# Altium PCB BEE_BOARD.PcbDoc (part 1 of 3) (continued)
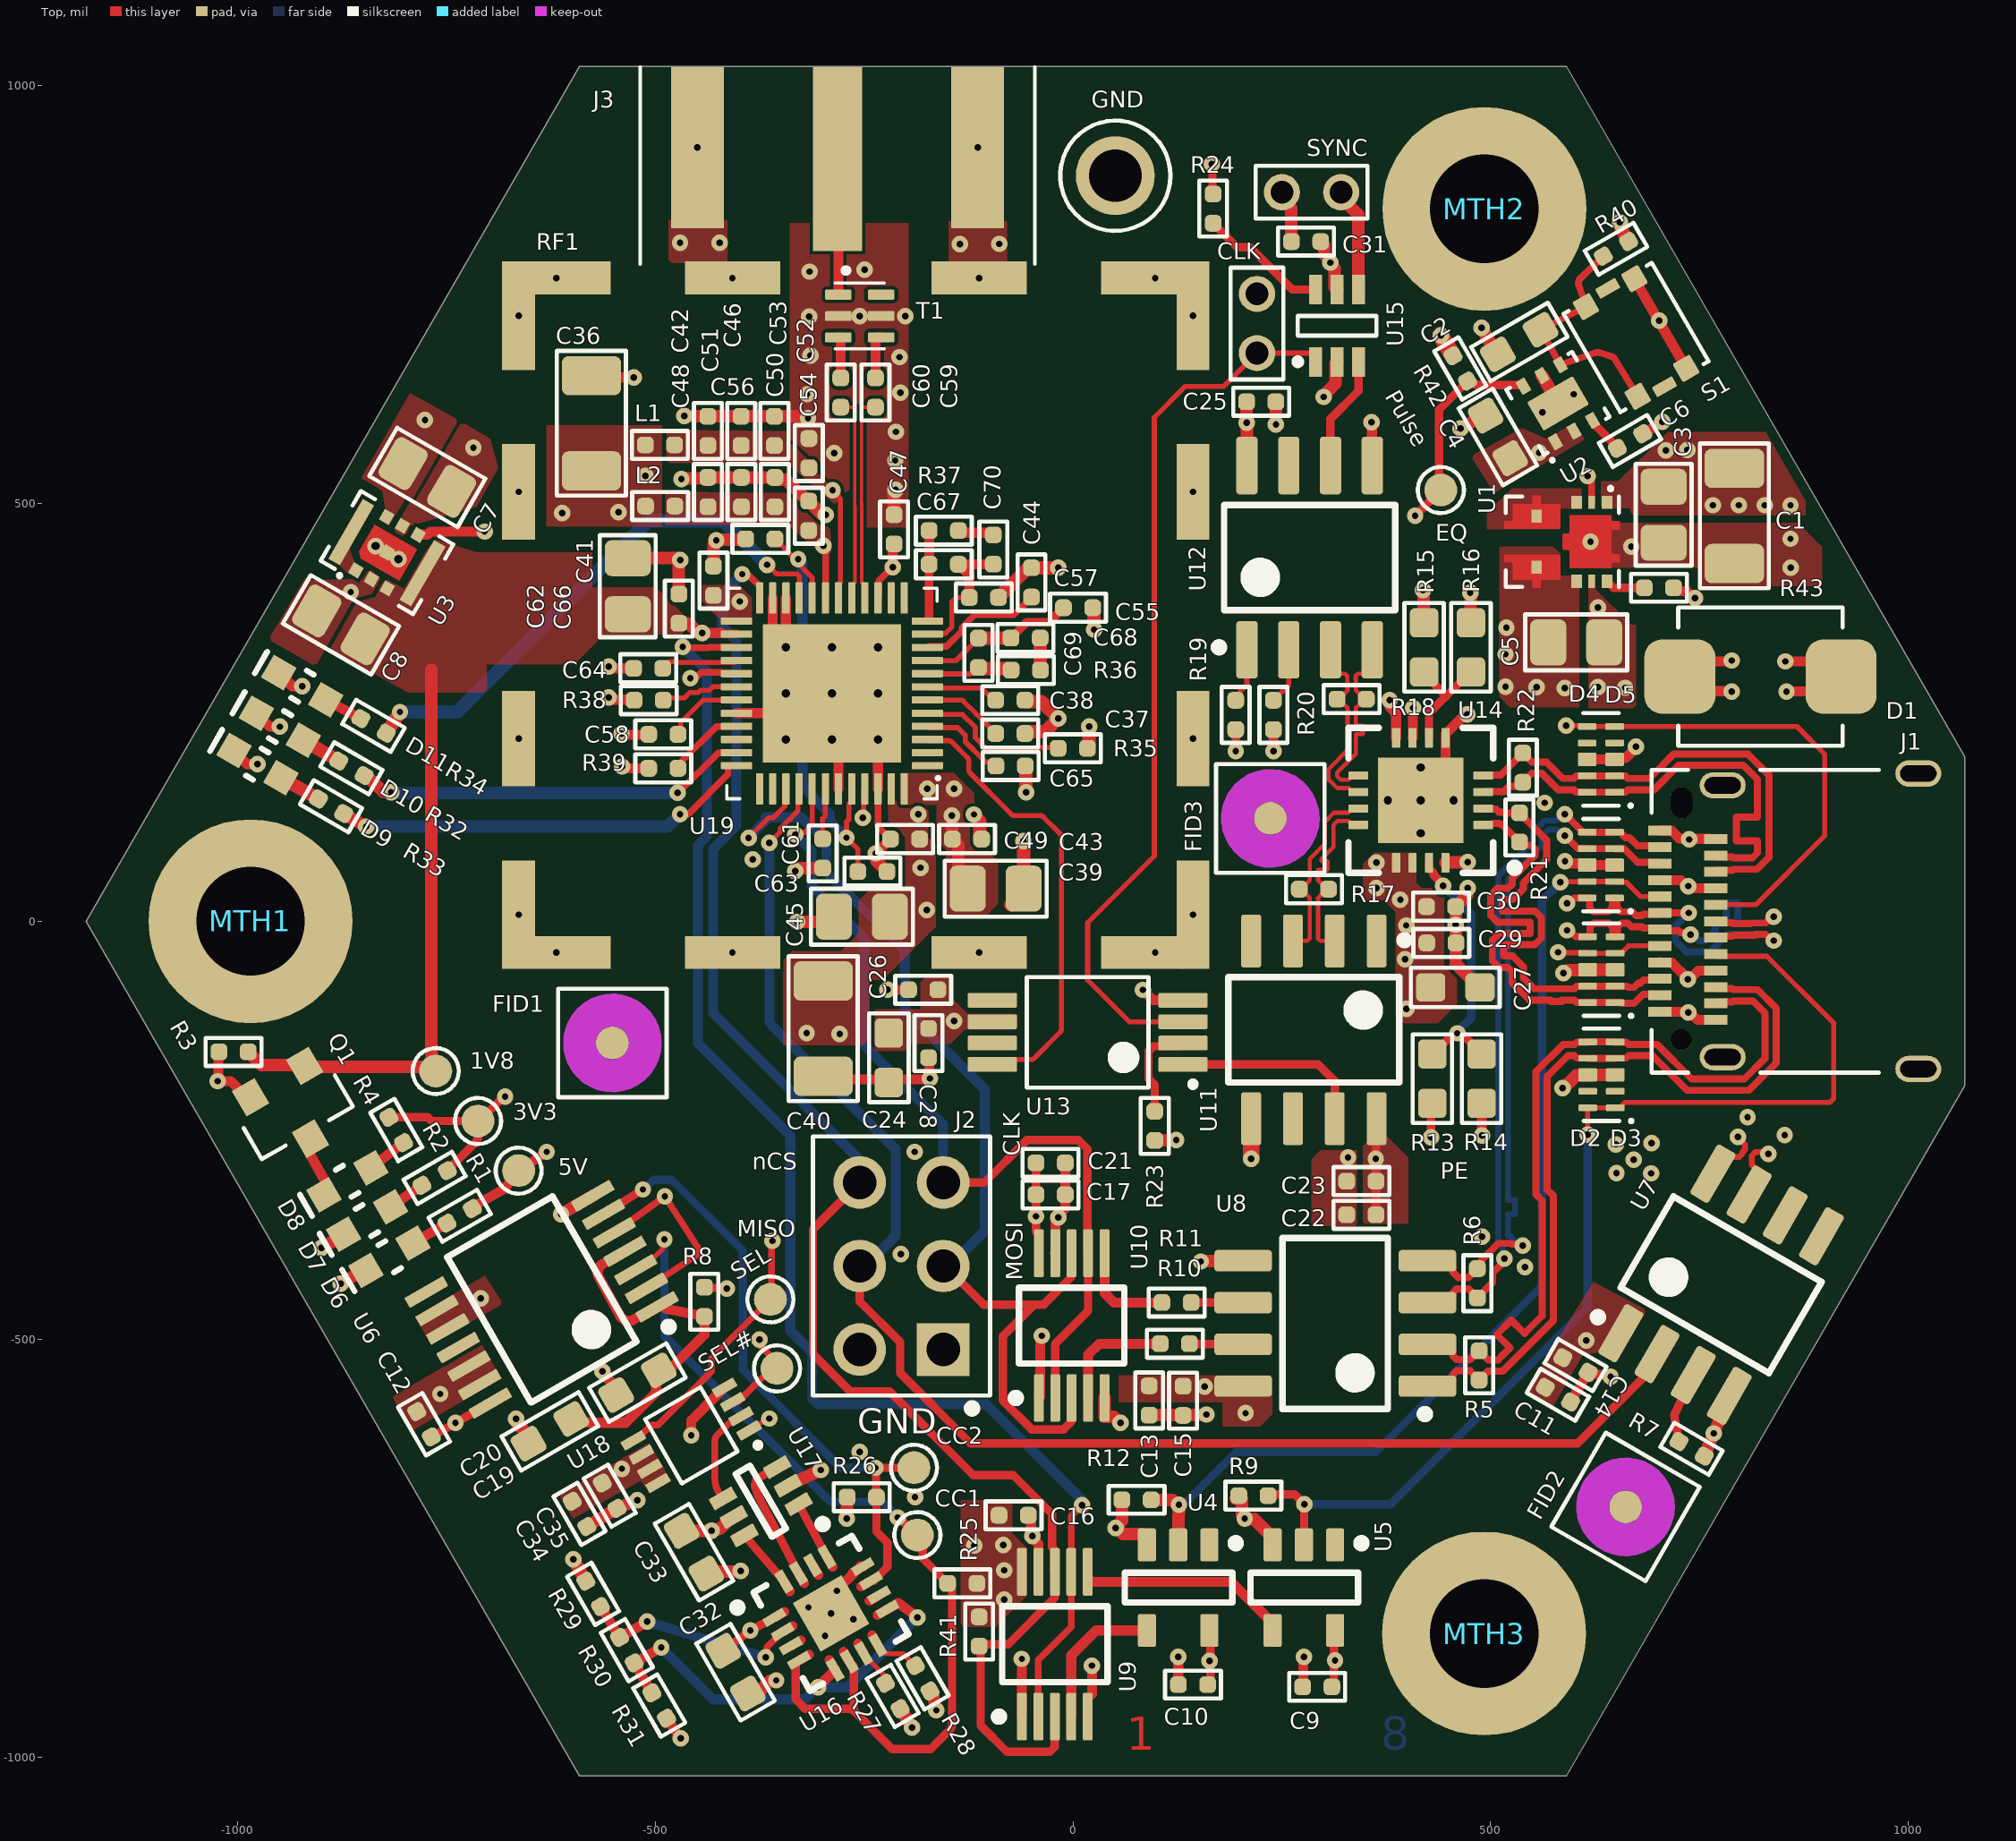
[diagram p0: Top view]
## Design rules (kind name [scope] priority, off if disabled: settings)
BoardOutlineClearance Clearance_Connecteur [InComponent('J3')] p1: gap=0 ignorepadtopadclearanceinfootprint=FALSE
BoardOutlineClearance BoardOutlineClearance-Silk [(OnLayer('Bottom Overlay')) OR (OnLayer('Top Overlay'))] p2: gap=0 ignorepadtopadclearanceinfootprint=FALSE
BoardOutlineClearance BoardOutlineClearance-Fiducials [InComponentClass('Fiducials')] p3: gap=0 ignorepadtopadclearanceinfootprint=FALSE
BoardOutlineClearance BoardOutlineClearance-MouseBites [InComponentClass('MouseBites')] p4: gap=10 ignorepadtopadclearanceinfootprint=FALSE except(0: Arc-SplitContinuation Track-SplitContinuation SMDPad-SplitContinuation THPad-OutlineEdge THPad-CavityEdge THPad-CutoutEdge THPad-SplitBarrior THPad-SplitContinuation Via-SplitContinuation Fill-SplitContinuation Poly-SplitContinuation Region-OutlineEdge Region-CavityEdge Region-CutoutEdge Region-SplitBarrior Region-SplitContinuation Text-SplitContinuation; 20: Arc-OutlineEdge Track-OutlineEdge SMDPad-OutlineEdge Via-OutlineEdge Fill-OutlineEdge Poly-OutlineEdge Text-OutlineEdge)
BoardOutlineClearance [All] p5: gap=12 ignorepadtopadclearanceinfootprint=FALSE
Clearance Clearance_HOLE_2_PAD [IsVia and (NOT InAnyComponent) vs IsSMTPin Or IsThruPin  or IsVia] p1: gap=0 ignorepadtopadclearanceinfootprint=FALSE except(2: SMDPad-Via THPad-Via; 6: Via-Via)
Clearance Clearance_VIA_SAME [IsVia and (NOT InAnyComponent) vs IsVia and (NOT InAnyComponent)] p2: gap=5.2 ignorepadtopadclearanceinfootprint=FALSE
Clearance Clearance_VIA [IsVia AND (InAnyComponent) vs IsVia AND (InAnyComponent)] p3: gap=12.2 ignorepadtopadclearanceinfootprint=FALSE
Clearance Clearance_GEN [All] p4: gap=4 ignorepadtopadclearanceinfootprint=FALSE
ComponentClearance [All] p1: gap=4 collisioncheckmode=3 verticalgap=4 showdistances=FALSE
DiffPairsRouting DIFF_100_OHM [InDifferentialPairClass('DIFF_100')] p1: maxlimit=8 minlimit=5 mostfreqgap=8 toplayer_maxgap=5 toplayer_prefgap=5 toplayer_minwidth=5 toplayer_maxwidth=5 toplayer_prefwidth=5 midlayer1_mingap=8 midlayer1_minwidth=4 midlayer1_maxwidth=4 midlayer1_prefwidth=4 midlayer2_mingap=8 midlayer2_minwidth=4 midlayer2_maxwidth=4 midlayer2_prefwidth=4 bottomlayer_maxgap=5 bottomlayer_prefgap=5 bottomlayer_minwidth=5 bottomlayer_maxwidth=5 bottomlayer_prefwidth=5 maxuncoupledlength=500
DiffPairsRouting DIFF_90_OHM [InDifferentialPairClass('DIFF_90')] p2: maxlimit=7 minlimit=5 mostfreqgap=7 toplayer_maxgap=5 toplayer_prefgap=5 toplayer_minwidth=7.5 toplayer_maxwidth=7.5 toplayer_prefwidth=7.5 midlayer1_mingap=7 midlayer1_minwidth=5 midlayer1_maxwidth=5 midlayer1_prefwidth=5 midlayer2_mingap=7 midlayer2_minwidth=5 midlayer2_maxwidth=5 midlayer2_prefwidth=5 bottomlayer_maxgap=5 bottomlayer_prefgap=5 bottomlayer_minwidth=7.5 bottomlayer_maxwidth=7.5 bottomlayer_prefwidth=7.5 maxuncoupledlength=500
DiffPairsRouting DIFF_85_OHM [InDifferentialPairClass('DIFF_85')] p3: maxlimit=5.5 minlimit=5 mostfreqgap=5.5 toplayer_maxgap=5 toplayer_prefgap=5 toplayer_minwidth=8.5 toplayer_maxwidth=8.5 toplayer_prefwidth=8.5 midlayer1_mingap=5.5 midlayer1_minwidth=5 midlayer1_maxwidth=5 midlayer1_prefwidth=5 midlayer2_mingap=5.5 midlayer2_minwidth=5 midlayer2_maxwidth=5 midlayer2_prefwidth=5 bottomlayer_maxgap=5 bottomlayer_prefgap=5 bottomlayer_minwidth=8.5 bottomlayer_maxwidth=8.5 bottomlayer_prefwidth=8.5 maxuncoupledlength=500
HoleSize [All] p1: absolutevalues=TRUE maxlimit=255.91 minlimit=7.87 maxpercent=80.000 minpercent=20.000
HoleToHoleClearance HoleToHoleClearance_Via [All] p1: gap=8 allowstackedmicrovias=TRUE
MatchedLengths [InNetClass('TX')] p1: tolerance=1 checknetsindiffpair=FALSE checkdiffpairvsdiffpair=TRUE checkxsignals=TRUE checkothers=TRUE
MatchedLengths DiffMatching_WithinPair [InDifferentialPairClass('All Differential Pairs')] p2: tolerance=1 checknetsindiffpair=TRUE checkdiffpairvsdiffpair=FALSE checkxsignals=FALSE checkothers=FALSE
MinimumAnnularRing [All] p1: minimumring=3.94
MinimumSolderMaskSliver [All] p1: minsoldermaskwidth=3.94
PasteMaskExpansion [All] p1: expansion=-0.98
PlaneClearance [All] p1: clearance=6
PlaneConnect [All] p1: pad.planeconnectstyle=Relief pad.reliefexpansion=20 pad.reliefentries=4 pad.reliefconductorwidth=10 pad.reliefairgap=10 via.planeconnectstyle=Direct via.reliefexpansion=20 via.reliefentries=4 via.reliefconductorwidth=10 via.reliefairgap=10
PolygonConnect [All] p1: thpad.connectstyle=Relief thpad.reliefconductorwidth=10 thpad.reliefentries=4 thpad.polygonreliefangle="90 Angle" thpad.airgapwidth=10 smdpad.connectstyle=Direct smdpad.reliefconductorwidth=10 smdpad.reliefentries=4 smdpad.polygonreliefangle="90 Angle" smdpad.airgapwidth=10 via.connectstyle=Direct via.reliefconductorwidth=10 via.reliefentries=4 via.polygonreliefangle="90 Angle" via.airgapwidth=10
RoutingVias [All] p1: holewidth=9.84 width=21.65 viastyle="Through Hole" minholewidth=7.87 minwidth=19.68 maxholewidth=255.91 maxwidth=295.28
SilkToSilkClearance [All] p1: silktosilkclearance=1
SilkToSolderMaskClearance [IsPad] p1: minsilkscreentomaskgap=1 clearancetoexposedcopper=FALSE
SolderMaskExpansion [All] p1: expansion=2.76 istentingtop=FALSE
UnRoutedNet [All] p1: checkbadconnections=TRUE
Width Width_50_OHM [InNetClass('SE_50OHM')] p1: maxlimit=12 minlimit=6 preferedwidth=12 toplayer_minwidth=12 midlayer1_maxwidth=6 midlayer1_prefwidth=6 midlayer2_maxwidth=6 midlayer2_prefwidth=6 bottomlayer_minwidth=12 minimp=50.000000 maximp=50.000000 favimp=50.000000
Width [All] p2: maxlimit=100 minlimit=4 preferedwidth=12 minimp=50.000000 maximp=50.000000 favimp=50.000000
19 further rules are at their usual default settings.

## Classes and differential pairs
net class TX: TX1_N TX1_P TX2_N TX2_P
net class SE_50OHM: NetC59_1 NetC60_1 NetJ3_1 NetR10_1 NetR11_1
differential pair class DIFF_85: D RX1 RX2 TX1 TX2
component class "Polarity Check": C32 C33 C34 C35 CC1 CC2 Pulse R25 R26 R27 R28 R29 R30 R31 SEL SEL# U16 U17 U18
differential pair class DIFF_100: CLK_BB_LVDS RF SYNC_BB_LVDS
component class TOP: D1 D2 D3 D4 D5 GND J1 J2
component class POWER: 1V8 3V3 5V C1 C2 C3 C4 C5 C6 C7 C8 D6 D7 D8 Q1 R1 R2 R3 R4 R40 R42 R43 S1 U1 U3
component class RECEIVE: C9 C10 C11 C12 C13 C14 C15 C16 C17 C19 C20 C21 C22 C23 C24 C25 C26 C27 C28 C29 C30 C31 CLK R5 R6 R7 R8 R9 R10 R11 R12 R13 R14 R15 R16 R17 R18 R19 R20 R21 R22 R23 R24 R41 SYNC U4 U5 U6 U7 U8 U9 U10 U11 U12 U13 U14 U15
component class DECAWAVE: C36 C37 C38 C39 C40 C41 C42 C43 C44 C45 C46 C47 C48 C49 C50 C51 C52 C53 C54 C55 C56 C57 C58 C59 C60 C61 C62 C63 C64 C65 C66 C67 C68 C69 C70 D9 D10 D11 J3 L1 L2 R32 R33 R34 R35 R36 R37 R38 R39 RF1 T1 U19
component class BEE_BOARD_TITLE: FID1 FID2 FID3 MTH1 MTH2 MTH3
differential pair TX2: +TX2_P -TX2_N
differential pair TX1: +TX1_P -TX1_N
differential pair RX2: +RX2_P -RX2_N
differential pair RX1: +RX1_P -RX1_N
differential pair D: +D_P -D_N
differential pair SYNC_BB_LVDS: +SYNC_BB_LVDS_P -SYNC_BB_LVDS_N
differential pair RF: +RF_P -RF_N
differential pair CLK_BB_LVDS: +CLK_BB_LVDS_P -CLK_BB_LVDS_N

## Components (designator, comment, footprint, x,y, rotation, side; value= is the part's Value field where it differs from the comment)
1V8 "1 MM" TPO_SMD_ROUND_1MM -762.62,-179.27 r300 top
3V3 "1 MM" TPO_SMD_ROUND_1MM -711.99,-239.06 r300 top
5V "1 MM" TPO_SMD_ROUND_1MM -663.39,-298.43 r120 top
C1 "CL31A226KAHNNNE" CAP_CER_1206 791.59,484.98 r90 top value=22uF
C2 "C0603C105K8PACTU" CAP_CER_0603 534.12,693.02 r210 top value=1uF
C3 "C2012X7R1E475K125AE" CAP_CER_0805 706.99,486.45 r90 top value=4.7uF
C4 "C0603C105K8PACTU" CAP_CER_0603 508.57,579.48 r120 top value=1uF
C5 "GRM21BR61C106KE15K" CAP_CER_0805 602.36,333.66 r180 top value=10uF
C6 "CGA2B3X7R1E104K050BB" CAP_CER_0402 666.72,574.55 r210 top value=100nF
C7 "C2012X7R1E475K125AE" CAP_CER_0805 -772.66,531.02 r150 top value=4.7uF
C8 "GRM21BR61C106KE15K" CAP_CER_0805 -876.05,354.64 r330 top value=10uF
C9 "CGA2B3X7R1E104K050BB" CAP_CER_0402 292.39,-916.06 r0 top value=100nF
C10 "CGA2B3X7R1E104K050BB" CAP_CER_0402 143.7,-913.46 r0 top value=100nF
C11 "CL05B103KA5NNNC" CAP_CER_0402 580.42,-566.58 r150 top value=10nF
C12 "CGA2B3X7R1E104K050BB" CAP_CER_0402 -776.58,-601.89 r120 top value=100nF
C13 "CL05B103KA5NNNC" CAP_CER_0402 91.2,-573.44 r90 top value=10nF
C14 "JMK105B7474KVHF" CAP_CER_0402 601.47,-531 r150 top value=470nF
C15 "JMK105B7474KVHF" CAP_CER_0402 131.81,-573.76 r90 top value=470nF
C16 "CGA2B3X7R1E104K050BB" CAP_CER_0402 -70.97,-710.81 r180 top value=100nF
C17 "CL05B103KA5NNNC" CAP_CER_0402 -26.71,-327.14 r180 top value=10nF
C19 "C0603C105K8PACTU" CAP_CER_0603 -625.98,-610.35 r210 top value=1uF
C20 "C0603C105K8PACTU" CAP_CER_0603 -521.21,-552.17 r210 top value=1uF
C21 "JMK105B7474KVHF" CAP_CER_0402 -26.71,-289.2 r180 top value=470nF
C22 "CGA2B3X7R1E104K050BB" CAP_CER_0402 345.17,-351.28 r0 top value=100nF
C23 "CC0402KRX7R9BB102" CAP_CER_0402 345.17,-310.99 r0 top value=1nF
C24 "C0603C105K8PACTU" CAP_CER_0603 -220.29,-163.41 r270 top value=1uF
C25 "CGA2B3X7R1E104K050BB" CAP_CER_0402 225.36,621.61 r180 top value=100nF
C26 "CGA2B3X7R1E104K050BB" CAP_CER_0402 -179.17,-82.01 r0 top value=100nF
C27 "C0603C105K8PACTU" CAP_CER_0603 457.69,-79.16 r0 top value=1uF
C28 "CC0402KRX7R9BB102" CAP_CER_0402 -172.92,-145.81 r90 top value=1nF
C29 "CGA2B3X7R1E104K050BB" CAP_CER_0402 440.94,-25.97 r180 top value=100nF
C30 "CC0402KRX7R9BB102" CAP_CER_0402 440.63,17.5 r180 top value=1nF
C31 "CGA2B3X7R1E104K050BB" CAP_CER_0402 278.98,813.21 r180 top value=100nF
C32 "C0603C105K8PACTU" CAP_CER_0603 -403.86,-898.58 r300 top value=1uF
C33 "C0603C105K8PACTU" CAP_CER_0603 -453.58,-755.02 r300 top value=1uF
C34 "CGA2B3X7R1E104K050BB" CAP_CER_0402 -590.55,-709.19 r120 top value=100nF
C35 "CGA2B3X7R1E104K050BB" CAP_CER_0402 -554.49,-687.41 r120 top value=100nF
C36 "CL31A226KAHNNNE" CAP_CER_1206 -576.3,595.83 r270 top value=22uF
C37 "CGA2B3X7R1E104K050BB" CAP_CER_0402 -74.95,224.62 r180 top value=100nF
C38 "CGA2B3X7R1E104K050BB" CAP_CER_0402 -74.95,264.62 r180 top value=100nF
C39 "C2012X7R1E475K125AE" CAP_CER_0805 -92.45,39.01 r180 top value=4.7uF
C40 "CL31A226KAHNNNE" CAP_CER_1206 -298.87,-128.54 r90 top value=22uF
C41 "CGA2B3X7R1E104K050BB" CAP_CER_0402 -430.25,407.49 r270 top value=100nF
C42 "CGA2B3X7R1E104K050BB" CAP_CER_0402 -436.9,586.69 r270 top value=100nF
C43 "CGA2B3X7R1E104K050BB" CAP_CER_0402 -126.75,98.31 r180 top value=100nF
C44 "CGA2B3X7R1E104K050BB" CAP_CER_0402 -49.6,405.43 r270 top value=100nF
C45 "C2012X7R1E475K125AE" CAP_CER_0805 -252.49,5.51 r0 top value=4.7uF
C46 "CL05B103KA5NNNC" CAP_CER_0402 -397.06,586.69 r270 top value=10nF
C47 "CGA2B3X7R1E104K050BB" CAP_CER_0402 -214.07,468.95 r270 top value=100nF
C48 "CGA2B3X7R1E104K050BB" CAP_CER_0402 -436.9,513.52 r270 top value=100nF
C49 "CGA2B3X7R1E104K050BB" CAP_CER_0402 -200.92,98.31 r0 top value=100nF
C50 "CC0402KRX7R9BB102" CAP_CER_0402 -357.23,586.69 r270 top value=1nF
C51 "CL05B103KA5NNNC" CAP_CER_0402 -396.77,513.52 r270 top value=10nF
C52 "CC0402JRNPO9BN120" CAP_CER_0402 -316.03,560.11 r270 top value=12pF
C53 "CC0402KRX7R9BB102" CAP_CER_0402 -356.65,513.52 r270 top value=1nF
C54 "CC0402JRNPO9BN120" CAP_CER_0402 -316.19,485.19 r270 top value=12pF
C55 "CGA2B3X7R1E104K050BB" CAP_CER_0402 6.17,375.13 r180 top value=100nF
C56 "CGA2B3X7R1E104K050BB" CAP_CER_0402 -374.15,457.47 r0 top value=100nF
C57 "CGA2B3X7R1E104K050BB" CAP_CER_0402 -106.56,387.39 r180 top value=100nF
C58 "CGA2B3X7R1E104K050BB" CAP_CER_0402 -490.24,223.64 r0 top value=100nF
C59 "CC0402JRNPO9BN120" CAP_CER_0402 -236.26,632.61 r270 top value=12pF
C60 "CC0402JRNPO9BN120" CAP_CER_0402 -277.91,632.61 r270 top value=12pF
C61 "CGA2B3X7R1E104K050BB" CAP_CER_0402 -299.45,81.13 r90 top value=100nF
C62 "C2012X7R1E475K125AE" CAP_CER_0805 -532.74,400.87 r270 top value=4.7uF
C63 "CGA2B3X7R1E104K050BB" CAP_CER_0402 -240.01,59.38 r180 top value=100nF
C64 "CGA2B3X7R1E104K050BB" CAP_CER_0402 -508.29,302.66 r180 top value=100nF
C65 "CC0402JRNPO9BN101" CAP_CER_0402 -74.59,185.72 r180 top value=100pF
C66 "CGA2B3X7R1E104K050BB" CAP_CER_0402 -471.64,374.03 r270 top value=100nF
C67 "GRM1555C1H180GA01D" CAP_CER_0402 -154.58,427.11 r180 top value=18pF
C68 "CC0402JRNPO9BN270" CAP_CER_0402 -56.74,338.89 r0 top value=27pF
C69 "C0402C129C5GACTU" CAP_CER_0402 -113.02,321.24 r90 top value=1.2pF
C70 "CC0402KRX7R9BB821" CAP_CER_0402 -95.31,444.82 r90 top value=820pF
CC1 "1 MM" TPO_SMD_ROUND_1MM -186.17,-734.47 r0 top
CC2 "1 MM" TPO_SMD_ROUND_1MM -190.2,-653.95 r90 top
CLK "TH ROUND 0.7mm DOUBLE" TPO_TH_ROUND_0.7mm_DOUBLE 220.28,715.21 r270 top
D1 "SMBJ5.0A" TVS_PWR_SMBJ5.0CA 822.83,292.74 r0 top value="Vbr = 6.4V -  Clamp = 9.2V"
D2 "DT1140-04LP-7" TVS_DATA_DT1140-04LP-7 632.56,-183.8 r180 top value="5.5V @ 1mA (Reverse Standoff)"
D3 "DT1140-04LP-7" TVS_DATA_DT1140-04LP-7 632.46,-57.98 r180 top value="5.5V @ 1mA (Reverse Standoff)"
D4 "DT1140-04LP-7" TVS_DATA_DT1140-04LP-7 631.86,67.16 r180 top value="5.5V @ 1mA (Reverse Standoff)"
D5 "DT1140-04LP-7" TVS_DATA_DT1140-04LP-7 631.86,193.62 r180 top value="5.5V @ 1mA (Reverse Standoff)"
D6 "SML-D12P8WT86" LED_SML-D12P8WT86 -817.83,-401.4 r30 top value="560 nm (green)"
D7 "SML-D12P8WT86" LED_SML-D12P8WT86 -844.93,-358.15 r30 top value="560 nm (green)"
D8 "SML-D12P8WT86" LED_SML-D12P8WT86 -868.49,-311.23 r30 top value="560 nm (green)"
D9 "SML-D12P8WT86" LED_SML-D12P8WT86 -975.98,188.01 r330 top value="560 nm (green)"
D10 "SML-D12P8WT86" LED_SML-D12P8WT86 -949.14,232.79 r330 top value="560 nm (green)"
D11 "SML-D12P8WT86" LED_SML-D12P8WT86 -922.25,281.2 r330 top value="560 nm (green)"
FID1 "FID 1MM" FID_CIRCLE_1MM -551.18,-145.67 r0 top
FID2 "FID 1MM" FID_CIRCLE_1MM 661.42,-700.79 r60 top
FID3 "FID 1MM" FID_CIRCLE_1MM 236.22,123.04 r0 top
GND "5011" TPO_5011 50.74,892.05 r0 top
J1 "12401598E4#2A" CON_USB_3.2_TypeC_12401598E4#2A 728.35,0 r90 top value="USB 3.2 Type C"
J2 "10129381-906002BLF" CON_HDR_10129381-906002BLF -205.2,-412.52 r180 top value="6 Pos."
J3 "CONSMA020.062-G" CON_SMA_CONSMA020.062-G -281.72,912.11 r180 top value="50 ohm"
L1 "BLM15AG601SN1D" FER_0402 -494.3,569.96 r0 top value=600R@100Mhz
L2 "BLM15AG601SN1D" FER_0402 -493.98,496.79 r0 top value=600R@100Mhz
MTH1 "M3" MTH_M3#1 -984.25,0 r0 top locked
MTH2 "M3" MTH_M3#2 492.13,852.36 r0 top locked
MTH3 "M3" MTH_M3#1 492.13,-852.36 r0 top locked
Pulse "1 MM" TPO_SMD_ROUND_1MM 440.31,515.99 r90 top
Q1 "BSS138LT1G" TRX_NMOS_BSS138LT1G -932.1,-225.98 r300 top
R1 "ERJ-2RKF4020X" RES_0402 -733.96,-352.56 r30 top value=402R
R2 "ERJ-2RKF4750X" RES_0402 -763.94,-307.18 r30 top value=475R
R3 "RC0402FR-0710KL" RES_0402 -1004.57,-156.35 r180 top value=10k
R4 "ERJ-2RKF4750X" RES_0402 -809.83,-249.77 r300 top value=475R
R5 "RC0402FR-0784R5L" RES_0402 486.22,-531.5 r270 top value=84R5
R6 "RC0402FR-0784R5L" RES_0402 484.04,-433.19 r270 top value=84R5
R7 "RC0402FR-071KL" RES_0402 740.39,-631.34 r150 top value=1k
R8 "RC0402FR-07100KL" RES_0402 -441.08,-455.49 r90 top value=100k
R9 "RC0402FR-0710KL" RES_0402 216.02,-687.3 r180 top value=10k
R10 "RC0402FR-0733RL" RES_0402 121.96,-505.53 r0 top value=33R
R11 "RC0402FR-0733RL" RES_0402 123.99,-456.26 r0 top value=33R
R12 "RC0402FR-0710KL" RES_0402 76.16,-692.3 r180 top value=10k
R13 "RC0603JR-070RL" RES_0603 430.12,-188.39 r270 top value=0R
R14 "RC0603JR-070RL" RES_0603 489.18,-188.4 r90 top value=0R
R15 "RC0603JR-070RL" RES_0603 420.28,327.76 r90 top value=0R
R16 "RC0603JR-070RL" RES_0603 476.38,327.76 r270 top value=0R
R17 "RC0402FR-07100RP" RES_0402 288.39,38.39 r0 top value=100R
R18 "RC0402FR-07100RP" RES_0402 333.66,265.75 r180 top value=100R
R19 "RC0402FR-071KL" RES_0402 194.79,246.9 r270 top value=1k
R20 "RC0402FR-071KL" RES_0402 239.96,246.89 r270 top value=1k
R21 "RMCF0402FT562R" RES_0402 534.45,112.2 r270 top value=562R
R22 "RMCF0402FT562R" RES_0402 538.41,183.73 r270 top value=562R
R23 "RC0402FR-0710KL" RES_0402 97.95,-244.86 r270 top value=10k
R24 "RC0402FR-0710KL" RES_0402 167.77,852.68 r90 top value=10k
R25 "RC0402FR-07100KL" RES_0402 -132.45,-792.28 r0 top value=100k
R26 "RC0402FR-07100KL" RES_0402 -252.66,-689.21 r0 top value=100k
R27 "RC0402FR-07100KL" RES_0402 -215.61,-927.01 r300 top value=100k
R28 "RC0402FR-07100KL" RES_0402 -179.87,-905.89 r300 top value=100k
R29 "RC0402FR-07100KL" RES_0402 -574.2,-804.89 r120 top value=100k
R30 "RMCF0402FT200K" RES_0402 -533.82,-872.21 r120 top value=200K
R31 "RC0402FR-07100KL" RES_0402 -495.18,-938.48 r120 top value=100k
R32 "ERJ-2RKF4750X" RES_0402 -863.49,183.01 r330 top value=475R
R33 "ERJ-2RKF4750X" RES_0402 -887.89,137.58 r330 top value=475R
R34 "ERJ-2RKF4750X" RES_0402 -837.05,233.75 r330 top value=475R
R35 "RC0402FR-0711KL" RES_0402 -0.14,206.91 r180 top value=11k
R36 "RC0402FR-0716KL" RES_0402 -56.43,300.57 r0 top value=16k
R37 "RC0402FR-07270RL" FER_0402 -154.58,467.47 r180 top value=270
R38 "RC0402FR-0710KL" RES_0402 -507.74,264.46 r0 top value=10k
R39 "RC0402FR-0710KL" RES_0402 -490.24,182.96 r0 top value=10k
R40 "RC0402FR-07100KL" RES_0402 649.92,804.56 r30 top value=100k
R41 "RC0402FR-0710KL" RES_0402 -112.2,-849.86 r90 top value=10k
R42 "RC0402FR-07100KL" RES_0402 463.59,661.46 r120 top value=100k
R43 "RC0402FR-07100KL" RES_0402 701.31,398.94 r0 top value=100k
RF1 "36103205S" RF_SH_BASE_36103205S -259.84,366.14 r0 top locked value=20x20x3mm
S1 "435171014816" SWI_TACT_435171014816 673.97,698.43 r300 top value=SPST-NO
SEL "1 MM" TPO_SMD_ROUND_1MM -362.02,-452.52 r90 top
SEL# "1 MM" TPO_SMD_ROUND_1MM -354.15,-535.09 r90 top
SYNC "TH ROUND 0.7mm DOUBLE" TPO_TH_ROUND_0.7mm_DOUBLE 285.59,872.36 r0 top
T1 "HHM1595A1" XFR_HHM1595A1 -255.14,724.12 r270 top value="3GHz  ~ 8GHz"
U1 "XCL214B333DR" REG_SWR_XCL214B333DR 585.44,454.09 r90 top value=3.3V
U2 "TPS3808G33DRVR" POW_TPS3808G33DRVR 580.51,619.7 r120 top
U3 "MYRGP180100W21RA" REG_SWR_MYRGP180100W21RA -820.96,441.05 r150 top value=1.8V
U4 "74AHC1G07GV,125" "LOG_BUF_ 74AHC1G07GV,125" 125.95,-797.41 r270 top
U5 "74AHC1G07GV,125" "LOG_BUF_ 74AHC1G07GV,125" 276.42,-797.41 r270 top
U6 "74LVC126APW,118" LOG_BUF_74LVC126APW,118 -635.83,-452.52 r210 top
U7 "FIN1027AMX" COM_XCV_FIN1027AMCOM 775.79,-435.01 r60 top value=600Mbps
U8 "FIN1028MX" COM_XCV_FIN1028MX 313.97,-481.26 r180 top value=400Mbps
U9 "TMUX154EDGSR" LOG_MUX_TMUX154EDGSR -21.65,-865.16 r90 top value=-
U10 "TMUX154EDGSR" LOG_MUX_TMUX154EDGSR -1.49,-483.88 r90 top value=-
U11 "PI6C49CB01Q3WEX" TIM_BUF_PI6C49CB01Q3WEX 288.32,-129.92 r270 top value=1:1
U12 "FIN1028MX" COM_XCV_FIN1028MX 283.27,435.04 r90 top value=400Mbps
U13 "LMK1C1102PWR" COM_BUF_LMK1C1102PWR 17.63,-133.01 r180 top
U14 "DS25CP102TSQ/NOPB" TIM_MUX_DS25CP102TSQ/NOPB 416.34,144.69 r180 top value=1x2:2
U15 "SN74LVC1G175DCKT" LOG_FLIPFLOP_SN74LVC1G175DCKT 316.16,712.47 r90 top
U16 "LM339LVRTER" CMP_LM339LVRTER -289.57,-828.21 r30 top
U17 "74LVC1G386GW,125" LOG_XOR_74LVC1G386GW,125 -373.49,-694.08 r210 top value="XOR Gate 5V 3 in"
U18 "74LVC1G74DC,125" LOG_FLIPFLOP_74LVC1G74DC,125 -456.78,-615.23 r210 top
U19 "DW1000-I-TR13" COM_XCV_DW1000-I-TR13 -288.42,272.59 r180 top

## Footprints (in the part's own frame and the unit in brackets; to place one, negate y for a bottom-side part, rotate by r counter-clockwise, add the part's x,y. Pads: shape width x height; smd on the part's side, far side on the other; paste and mask are expansions set on the pad)
CAP_CER_0402 [mil] "Ceramic Capacitor - 0402"
  rrect60% 20x20 smd paste+0 mask+1.97: 1(-17.5,0) 2(17.5,0)
  silkscreen extent -33,-17 33,17, body extent -19,-10 20,10, height 20
CAP_CER_0603 [mil] "Ceramic Capacitor - 0603"
  rrect35% 35x34 smd paste+0 mask+1.97: 1(-29.5,0) 2(29.5,0)
  silkscreen extent -53,-24 53,24, body extent -31,-16 31,16, height 35
CAP_CER_0805 [mil] "Ceramic Capacitor - 0805"
  rrect37% 43x55 smd paste+0 mask+1.97: 1(-33.5,0) 2(33.5,0)
  silkscreen extent -61,-33 61,33, body extent -39,-24 40,25, height 49
CAP_CER_1206 [mil] "Ceramic Capacitor - 1206"
  rrect34% 47x71 smd paste+0 mask+1.97: 1(-57,0) 2(57,0)
  silkscreen extent -87,-41 87,41, body extent -62,-31 64,32, height 49
CMP_LM339LVRTER [mm] "WQFN-16"
  rrect10% 0.7x0.28 smd paste-0.025 mask+0.055: 1(-1.55,0.75) 2(-1.55,0.25) 3(-1.55,-0.25) 4(-1.55,-0.75) 9(1.55,-0.75) 10(1.55,-0.25) 11(1.55,0.25) 12(1.55,0.75)
  rrect10% 0.28x0.7 smd paste-0.025 mask+0.055: 5(-0.75,-1.55) 6(-0.25,-1.55) 7(0.25,-1.55) 8(0.75,-1.55) 13(0.75,1.55) 14(0.25,1.55) 15(-0.25,1.55) 16(-0.75,1.55)
  rect 1.7x1.7 smd paste-1.7 mask+0: 17(0,0)
  Top region: 1.2,0.89 1.139,0.876 1.09,0.837 1.063,0.781 1.063,0.719 1.09,0.663 1.139,0.624 1.2,0.61 1.2,0.61 1.55,0.61 1.55,0.89
  Top region: 1.2,-0.61 1.139,-0.624 1.09,-0.663 1.063,-0.719 1.063,-0.781 1.09,-0.837 1.139,-0.876 1.2,-0.89 1.2,-0.89 1.55,-0.89 1.55,-0.61
  Top region: 1.2,-0.11 1.139,-0.124 1.09,-0.163 1.063,-0.219 1.063,-0.281 1.09,-0.337 1.139,-0.376 1.2,-0.39 1.2,-0.39 1.55,-0.39 1.55,-0.11
  Top region: 1.2,0.39 1.139,0.376 1.09,0.337 1.063,0.281 1.063,0.219 1.09,0.163 1.139,0.124 1.2,0.11 1.2,0.11 1.55,0.11 1.55,0.39
  Top region: -0.89,1.2 -0.876,1.139 -0.837,1.09 -0.781,1.063 -0.719,1.063 -0.663,1.09 -0.624,1.139 -0.61,1.2 -0.61,1.2 -0.61,1.55 -0.89,1.55
  Top region: 0.61,1.2 0.624,1.139 0.663,1.09 0.719,1.063 0.781,1.063 0.837,1.09 0.876,1.139 0.89,1.2 0.89,1.2 0.89,1.55 0.61,1.55
  Top region: 0.11,1.2 0.124,1.139 0.163,1.09 0.219,1.063 0.281,1.063 0.337,1.09 0.376,1.139 0.39,1.2 0.39,1.2 0.39,1.55 0.11,1.55
  Top region: -0.39,1.2 -0.376,1.139 -0.337,1.09 -0.281,1.063 -0.219,1.063 -0.163,1.09 -0.124,1.139 -0.11,1.2 -0.11,1.2 -0.11,1.55 -0.39,1.55
  Top region: -1.2,-0.89 -1.139,-0.876 -1.09,-0.837 -1.063,-0.781 -1.063,-0.719 -1.09,-0.663 -1.139,-0.624 -1.2,-0.61 -1.2,-0.61 -1.55,-0.61 -1.55,-0.89
  Top region: -1.2,0.61 -1.139,0.624 -1.09,0.663 -1.063,0.719 -1.063,0.781 -1.09,0.837 -1.139,0.876 -1.2,0.89 -1.2,0.89 -1.55,0.89 -1.55,0.61
  Top region: -1.2,0.11 -1.139,0.124 -1.09,0.163 -1.063,0.219 -1.063,0.281 -1.09,0.337 -1.139,0.376 -1.2,0.39 -1.2,0.39 -1.55,0.39 -1.55,0.11
  Top region: -1.2,-0.39 -1.139,-0.376 -1.09,-0.337 -1.063,-0.281 -1.063,-0.219 -1.09,-0.163 -1.139,-0.124 -1.2,-0.11 -1.2,-0.11 -1.55,-0.11 -1.55,-0.39
  Top region: 0.89,-1.2 0.876,-1.139 0.837,-1.09 0.781,-1.063 0.719,-1.063 0.663,-1.09 0.624,-1.139 0.61,-1.2 0.61,-1.2 0.61,-1.55 0.89,-1.55
  Top region: -0.61,-1.2 -0.624,-1.139 -0.663,-1.09 -0.719,-1.063 -0.781,-1.063 -0.837,-1.09 -0.876,-1.139 -0.89,-1.2 -0.89,-1.2 -0.89,-1.55 -0.61,-1.55
  Top region: -0.11,-1.2 -0.124,-1.139 -0.163,-1.09 -0.219,-1.063 -0.281,-1.063 -0.337,-1.09 -0.376,-1.139 -0.39,-1.2 -0.39,-1.2 -0.39,-1.55 -0.11,-1.55
  Top region: 0.39,-1.2 0.376,-1.139 0.337,-1.09 0.281,-1.063 0.219,-1.063 0.163,-1.09 0.124,-1.139 0.11,-1.2 0.11,-1.2 0.11,-1.55 0.39,-1.55
  silkscreen extent -2.5,-1.73 1.73,1.73, body extent -1.58,-1.58 1.58,1.58, height 0.8
COM_BUF_LMK1C1102PWR [mm] "TSOP, 8-Leads, Body 3,00x4,40mm, Pitch 0,65mm, IPC Medium Density"
  rrect20% 1.5x0.45 smd paste-0.05 mask+0.05: 1(-2.9,0.975) 2(-2.9,0.325) 3(-2.9,-0.325) 4(-2.9,-0.975) 5(2.9,-0.975) 6(2.9,-0.325) 7(2.9,0.325) 8(2.9,0.975)
  silkscreen extent -3.25,-1.68 1.85,1.68, body extent -3.2,-1.55 3.2,1.55, height 1.2
COM_XCV_DW1000-I-TR13 [mm] "QFN 48 package, 0.5mm pitch"
  rrect20% 0.95x0.22 smd paste-0.025 mask+0.04: 1(-2.9,2.2) 2(-2.9,1.8) 3(-2.9,1.4) 4(-2.9,1) 5(-2.9,0.6) 6(-2.9,0.2) 7(-2.9,-0.2) 8(-2.9,-0.6) 9(-2.9,-1) 10(-2.9,-1.4) 11(-2.9,-1.8) 12(-2.9,-2.2) 25(2.9,-2.2) 26(2.9,-1.8) 27(2.9,-1.4) 28(2.9,-1) 29(2.9,-0.6) 30(2.9,-0.2) 31(2.9,0.2) 32(2.9,0.6) 33(2.9,1) 34(2.9,1.4) 35(2.9,1.8) 36(2.9,2.2)
  rrect20% 0.22x0.95 smd paste-0.025 mask+0.04: 13(-2.2,-2.9) 14(-1.8,-2.9) 15(-1.4,-2.9) 16(-1,-2.9) 17(-0.6,-2.9) 18(-0.2,-2.9) 19(0.2,-2.9) 20(0.6,-2.9) 21(1,-2.9) 22(1.4,-2.9) 23(1.8,-2.9) 24(2.2,-2.9) 37(2.2,2.9) 38(1.8,2.9) 39(1.4,2.9) 40(1,2.9) 41(0.6,2.9) 42(0.2,2.9) 43(-0.2,2.9) 44(-0.6,2.9) 45(-1,2.9) 46(-1.4,2.9) 47(-1.8,2.9) 48(-2.2,2.9)
  rect 4.2x4.2 smd paste-5 mask+0.07: 49(0,0)
  silkscreen extent -3.27,-3.2 3.2,3.2, body extent -3.05,-3.05 3.05,3.05, height 0.9
COM_XCV_FIN1027AMCOM [mm] "8-SOIC"
  rrect30% 1.75x0.65 smd paste-0.025 mask+0.07: 1(-2.8,1.905) 2(-2.8,0.635) 3(-2.8,-0.635) 4(-2.8,-1.905) 5(2.8,-1.905) 6(2.8,-0.635) 7(2.8,0.635) 8(2.8,1.905)
  silkscreen extent -2.85,-2.6 1.6,2.88, body extent -3,-2.5 3,2.5, height 1.75
COM_XCV_FIN1028MX [mm] "8-SOIC"
  rrect30% 1.75x0.65 smd paste-0.025 mask+0.07: 1(-2.8,1.905) 2(-2.8,0.635) 3(-2.8,-0.635) 4(-2.8,-1.905) 5(2.8,-1.905) 6(2.8,-0.635) 7(2.8,0.635) 8(2.8,1.905)
  silkscreen extent -2.85,-2.6 1.6,2.88, body extent -3,-2.5 3,2.5, height 1.75
CON_HDR_10129381-906002BLF [mm] "2x3 100mils header"
  rect 1.6x1.6 hole 1.016 mask+0.07: 1(-1.27,2.54)
  round 1.6 hole 1.016 mask+0.07: 2(1.27,2.54) 3(-1.27,0) 4(1.27,0) 5(-1.27,-2.54) 6(1.27,-2.54)
  silkscreen extent -2.69,-3.94 2.69,4.45, body extent -2.41,-3.81 2.41,3.81, height 8.18
CON_SMA_CONSMA020.062-G [mm] "EDGE SMA femal connector"
  rect 1.5x5.6 smd paste-0.025 mask+0.07: 1(0,0)
  rect 1.6x4.9 smd paste-0.025 mask+0.07: 2(-4.26,-0.35) 3(4.26,-0.35)
  rect 1.6x4.9 smd far side paste-0.025 mask+0.07: 4(-4.26,-0.35) 5(4.26,-0.35)
  silkscreen extent -6,-2.8 6,3.2, body extent -4.76,-12.3 4.76,1.9, height 4.35
CON_USB_3.2_TypeC_12401598E4#2A [mm]
  oval 0.8x1.4 hole 0.5 slot 1.1 at 90 deg paste+0 mask+0.07: 1(-4.13,-1.25) 2(-4.49,-7.2) 3(4.49,-7.2) 4(4.13,-1.25)
  rect 0.3x0.7 smd paste-0.025 mask+0.04: A1(-2.75,0.66) A2(-2.25,0.66) A3(-1.75,0.66) A4(-1.25,0.66) A5(-0.75,0.66) A6(-0.25,0.66) A7(0.25,0.66) A8(0.75,0.66) A9(1.25,0.66) A10(1.75,0.66) A11(2.25,0.66) A12(2.75,0.66) B1(2.5,-1.04) B2(2,-1.04) B3(1.5,-1.04) B4(1,-1.04) B5(0.5,-1.04) B6(0,-1.04) B7(-0.5,-1.04) B8(-1,-1.04) B9(-1.5,-1.04) B10(-2,-1.04) B11(-2.5,-1.04) B12(-3,-1.04)
  round 0.65 hole 0.65 unplated mask+0.07: ""(-3.6,0)
  oval 0.95x0.65 hole 0.65 slot 0.95 at 0 deg paste+0 mask+0.07: ""(3.6,0)
  silkscreen extent -4.6,-6 4.6,0.91, body extent -4.6,-9.6 4.6,0.9, height 3.28
FER_0402 [mil] "Ferrite - 0402"
  rrect60% 20x20 smd paste+0 mask+1.97: 1(-17.5,0) 2(17.5,0)
  silkscreen extent -33,-17 33,17, body extent -20,-10 20,10, height 19
FID_CIRCLE_1MM [mm]
  round 1 smd paste-1 mask+1: 1(0,0)
  round 1 smd far side paste-1 mask+1: 2(0,0)
  Top keep-out circle w1: c0,0 r1
  Bottom keep-out circle w1: c0,0 r1
  silkscreen extent -1.65,-1.65 1.65,1.65
LED_SML-D12P8WT86 [mm] "0603"
  rect 0.8x0.8 smd paste-0.025 mask+0.07: A(0.825,0) K(-0.825,0)
  silkscreen extent -1.45,-0.48 0.13,0.48, body extent -0.8,-0.4 0.8,0.4, height 0.6
LOG_BUF_74LVC126APW,118 [mm]
  rrect20% 1.35x0.35 smd paste-0.025 mask+0.07: 1(-2.925,1.95) 2(-2.925,1.3) 3(-2.925,0.65) 4(-2.925,0) 5(-2.925,-0.65) 6(-2.925,-1.3) 7(-2.925,-1.95) 8(2.925,-1.95) 9(2.925,-1.3) 10(2.925,-0.65) 11(2.925,0) 12(2.925,0.65) 13(2.925,1.3) 14(2.925,1.95)
  silkscreen extent -3.05,-2.55 1.85,2.77, body extent -3.2,-2.55 3.2,2.55, height 1.1
"LOG_BUF_ 74AHC1G07GV,125" [mm]
  rrect20% 1x0.55 smd paste-0.025 mask+0.07: 1(-1.3,0.95) 2(-1.3,0) 3(-1.3,-0.95) 4(1.3,-0.95) 5(1.3,0.95)
  silkscreen extent -1.47,-1.62 0.45,1.88, body extent -1.5,-1.55 1.5,1.55, height 1.1
LOG_FLIPFLOP_74LVC1G74DC,125 [mm] "VSSOP8"
  rrect20% 0.75x0.3 smd paste-0.05 mask+0.045: 1(-1.6,0.75) 2(-1.6,0.25) 3(-1.6,-0.25) 4(-1.6,-0.75) 5(1.6,-0.75) 6(1.6,-0.25) 7(1.6,0.25) 8(1.6,0.75)
  silkscreen extent -1.67,-1.12 0.97,1.34, body extent -1.55,-0.95 1.55,0.95, height 1
LOG_FLIPFLOP_SN74LVC1G175DCKT [mm] "SOT23, 6-Leads, Body 2.00x2.10mm, Pitch 0.65mm, IPC Medium Density"
  rrect10% 0.9x0.4 smd paste-0.025 mask+0.05: 1(-1.1,0.65) 2(-1.1,0) 3(-1.1,-0.65) 4(1.1,-0.65) 5(1.1,0) 6(1.1,0.65)
  silkscreen extent -1.16,-1.19 0.3,1.26, body extent -1.2,-1.07 1.2,1.07, height 1.1
LOG_MUX_TMUX154EDGSR [mm] "TSSOP, 10-Leads, Body 3.00x3.00mm, Pitch 0.50mm, IPC Medium Density"
  rrect30% 1.45x0.3 smd paste-0.025 mask+0.05: 1(-2.2,1) 2(-2.2,0.5) 3(-2.2,0) 4(-2.2,-0.5) 5(-2.2,-1) 6(2.2,-1) 7(2.2,-0.5) 8(2.2,0) 9(2.2,0.5) 10(2.2,1)
  silkscreen extent -2.32,-1.6 1.15,1.82, body extent -2.45,-1.55 2.45,1.55, height 1.1
LOG_XOR_74LVC1G386GW,125 [mm] "6-TTSOP"
  rrect20% 0.8x0.4 smd paste-0.025 mask+0.05: 1(-0.95,0.65) 2(-0.95,0) 3(-0.95,-0.65) 4(0.95,-0.65) 5(0.95,0) 6(0.95,0.65)
  silkscreen extent -1.41,-1.1 0.25,1.66, body extent -1.05,-1 1.05,1, height 1.1
MTH_M3#1 [mm] "Mounting Hole Metric M3"
  round 6.2 hole 3.3 paste-7.62 mask+0.07: 1(0,0)
MTH_M3#2 [mm] "Mounting Hole Metric M3"
  round 6.2 hole 3.3 paste-7.62 mask+0.07: 1(0.006,0)
POW_TPS3808G33DRVR [mm] "6-WSON"
  rrect20% 0.45x0.3 smd paste+0 mask+0.07: 1(-0.975,0.65) 2(-0.975,0) 3(-0.975,-0.65) 4(0.975,-0.65) 5(0.975,0) 6(0.975,0.65)
  rrect10% 1x1.6 smd paste-1.6 mask+0.07: 7(0,0)
  silkscreen extent -1.46,-1.15 1.14,1.15, body extent -1.05,-1.05 1.05,1.05, height 0.8
REG_SWR_MYRGP180100W21RA [mm]
  rect 0.35x0.375 smd paste-1 mask+0.05: 1(0.55,0.938) 2(0,0.937) 3(-0.55,0.937) 4(-0.55,-0.937) 5(0,-0.937) 6(0.55,-0.937) 9(0,0)
  rect 0.4x2.1 smd paste-1 mask+0.05: 7(1.25,0) 8(-1.25,0)
  rect 0.325x0.4 smd paste-1 mask-1: 9(0,0)
  Top region: 0.596,0.55 -0.75,0.55 -0.75,-0.55 0.75,-0.55 0.75,0.396
  silkscreen extent -1.62,-1.22 1.62,1.37, body extent -1.25,-1 1.25,1, height 1
REG_SWR_XCL214B333DR [mm]
  rect 0.4x0.325 smd paste-0.05 mask+0.05: 1(1.2,-1.363) 3(1.2,-0.438) 4(-1.2,-0.438) 6(-1.2,-1.363)
  rect 0.4x0.2 smd paste-0.05 mask+0.05: 2(1.2,-0.9) 5(-1.2,-0.9)
  rect 0.4x0.325 smd paste-1 mask-1: 7(0,-0.865) 8(0.775,0.775) 9(-0.775,0.775)
  Top region: 0.25,-0.07 0.246,-0.051 0.235,-0.035 0.219,-0.024 0.2,-0.02 0.2,-0.02 -0.2,-0.02 -0.219,-0.024 -0.235,-0.035 -0.246,-0.051 -0.25,-0.07 -0.25,-0.07 -0.25,-0.18 -0.254,-0.199 -0.265,-0.215 -0.281,-0.226 -0.3,-0.23 -0.3,-0.23 -0.8,-0.23 -0.8,-1.5 -0.675,-1.5 -0.656,-1.504 -0.64,-1.515 -0.629,-1.531 -0.625,-1.55 -0.625,-1.55 -0.625,-1.75 -0.375,-1.75 -0.375,-1.55 -0.371,-1.531 -0.36,-1.515 -0.344,-1.504 -0.325,-1.5 -0.325,-1.5 0.325,-1.5 0.344,-1.504 0.36,-1.515 0.371,-1.531 0.375,-1.55 0.375,-1.55 0.375,-1.75 0.625,-1.75 0.625,-1.55 0.632,-1.525 0.65,-1.507 0.675,-1.5 0.675,-1.5 0.8,-1.5 0.8,-0.23 0.3,-0.23 0.281,-0.226 0.265,-0.215 0.254,-0.199 0.25,-0.18 0.25,-0.18
  Top region: -1.15,0.05 -0.45,0.05 -0.431,0.054 -0.414,0.064 -0.403,0.081 -0.4,0.1 -0.4,0.1 -0.4,1.75 -0.625,1.75 -0.625,1.55 -0.628,1.531 -0.639,1.514 -0.656,1.504 -0.675,1.5 -0.675,1.5 -1.15,1.5 -1.15,0.95 -1.153,0.931 -1.164,0.914 -1.181,0.904 -1.2,0.9 -1.2,0.9 -1.4,0.9 -1.4,0.65 -1.2,0.65 -1.18,0.646 -1.164,0.635 -1.153,0.619 -1.15,0.6 -1.15,0.6
  Top region: 1.15,0.05 0.45,0.05 0.431,0.054 0.414,0.064 0.404,0.081 0.4,0.1 0.4,0.1 0.4,1.75 0.625,1.75 0.625,1.55 0.629,1.531 0.639,1.514 0.656,1.504 0.675,1.5 0.675,1.5 1.15,1.5 1.15,0.95 1.154,0.931 1.164,0.914 1.181,0.904 1.2,0.9 1.2,0.9 1.4,0.9 1.4,0.65 1.2,0.65 1.175,0.643 1.156,0.625 1.15,0.6 1.15,0.6
  silkscreen extent -1.38,-1.73 1.67,1.71, body extent -1.25,-1.6 1.25,1.6, height 1
RES_0402 [mil] "Resistor - 0402"
  rrect60% 20x20 smd paste+0 mask+1.97: 1(-17.5,0) 2(17.5,0)
  silkscreen extent -33,-17 33,17, body extent -20,-10 20,10, height 13
RES_0603 [mil] "Resistor - 0603"
  rrect35% 35x34 smd paste+0 mask+1.97: 1(-29.5,0) 2(29.5,0)
  silkscreen extent -53,-24 53,24, body extent -31,-16 32,16, height 17
RF_SH_BASE_36103205S [mm] "RF shield 20x20x3 base"
  rect 1x3.3 smd paste-0.1 mask+0.05: 1(-10.25,-9.1) 1(-10.25,9.1) 1(10.25,-9.1) 1(10.25,9.1)
  rect 1x2.9 smd paste-0.1 mask+0.05: 1(-10.25,3.75) 1(-10.25,-3.75) 1(10.25,-3.75) 1(10.25,3.75)
  rect 3.3x1 smd paste-0.1 mask+0.05: 1(-9.1,-10.25) 1(-9.1,10.25) 1(9.1,-10.25) 1(9.1,10.25)
  rect 2.9x1 smd paste-0.1 mask+0.05: 1(-3.75,10.25) 1(-3.75,-10.25) 1(3.75,-10.25) 1(3.75,10.25)
  body extent -10.2,-10.2 10.2,10.2, height 3.2
SWI_TACT_435171014816 [mm]
  rrect20% 0.65x0.6 smd paste+0 mask+0.05: 1(-1.575,0.85) 2(1.575,0.85) 3(-1.575,-0.85) 4(1.575,-0.85)
  rrect20% 0.35x0.7 smd paste+0 mask+0.05: 5(-1.725,0) 6(1.725,0)
  silkscreen extent -1.73,-1.55 1.73,1.55, body extent -1.65,-1.45 1.65,1.45, height 1.4
TIM_BUF_PI6C49CB01Q3WEX [mm] "SOIC-8"
  rrect20% 1.6x0.6 smd paste-0.025 mask+0.07: 1(-2.7,1.905) 2(-2.7,0.635) 3(-2.7,-0.635) 4(-2.7,-1.905) 5(2.7,-1.905) 6(2.7,-0.635) 7(2.7,0.635) 8(2.7,1.905)
  silkscreen extent -2.85,-2.6 1.6,2.88, body extent -3,-2.5 3,2.5, height 1.75
TIM_MUX_DS25CP102TSQ/NOPB [mm] "WQFN-16"
  rrect20% 0.6x0.25 smd paste+0 mask+0.07: 1(-1.9,0.75) 2(-1.9,0.25) 3(-1.9,-0.25) 4(-1.9,-0.75) 9(1.9,-0.75) 10(1.9,-0.25) 11(1.9,0.25) 12(1.9,0.75)
  rrect20% 0.25x0.6 smd paste+0 mask+0.07: 5(-0.75,-1.9) 6(-0.25,-1.9) 7(0.25,-1.9) 8(0.75,-1.9) 13(0.75,1.9) 14(0.25,1.9) 15(-0.25,1.9) 16(-0.75,1.9)
  rect 2.6x2.6 smd paste-1.3 mask+0.07: 17(0,0)
  silkscreen extent -2.98,-2.2 2.2,2.2, body extent -2.05,-2.05 2.05,2.05, height 0.8
TPO_5011 [mm]
  round 2.4 hole 1.6: 1(0,0)
  silkscreen extent -1.67,-1.68 1.68,1.68, body extent -1.59,-1.59 1.59,1.59, height 8.13
TPO_SMD_ROUND_1MM [mm] "Test Point - SMD ROUND PAD ONLY"
  round 1 smd paste-2 mask+0.07: 1(0,0)
  silkscreen extent -0.7,-0.7 0.7,0.7, body extent -0.4,-0.4 0.4,0.4
TPO_TH_ROUND_0.7mm_DOUBLE [mm] "Double via TP"
  round 1.1 hole 0.7 mask+0.07: 1(-0.9,0) 2(0.9,0)
  silkscreen extent -1.7,-0.8 1.7,0.8
TRX_NMOS_BSS138LT1G [mm] "SOT23, 3-Leads, Body 2,92x2,37mm, Pitch 0,85mm, IPC Medium Density"
  rect 0.9x0.8 smd paste-0.025 mask+0.07: 1(-1,0.95) 2(-1,-0.95) 3(1,0)
  silkscreen extent -0.3,-1.6 0.8,1.6, body extent -1.32,-1.52 1.32,1.52, height 1.11
TVS_DATA_DT1140-04LP-7 [mm] "SON, 10-Leads, Body 2,51x1,01mm, Pitch 0,50mm, IPC Medium Density"
  rrect30% 0.565x0.2 smd paste+0 mask+0.05: 1(-0.417,1) 2(-0.417,0.5) 4(-0.417,-0.5) 5(-0.417,-1) 6(0.417,-1) 7(0.417,-0.5) 9(0.417,0.5) 10(0.417,1)
  rrect16% 0.565x0.4 smd paste-4 mask+0.05: 3(-0.417,0) 8(0.417,0)
  silkscreen extent -0.95,-1.4 0.54,1.45, body extent -0.57,-1.29 0.57,1.29, height 0.61
TVS_PWR_SMBJ5.0CA [mm] "Molded Diode, 2-Leads, Body 4,40x3,62mm, IPC Medium Density"
  rrect50% 2.16x2.26 smd paste-0.025 mask+0.07: 1(-2.45,0) 2(2.45,0)
  silkscreen extent -2.5,-2.1 2.5,2.1, body extent -2.6,-1.97 2.6,1.97, height 2.61
XFR_HHM1595A1 [mm] "HHM1595A1"
  rrect20% 0.3x0.8 smd paste-0.025 mask+0.07: 1(-0.65,-0.65) 2(0,-0.65) 3(0.65,-0.65) 4(0.65,0.65) 5(0,0.65) 6(-0.65,0.65)
  silkscreen extent -1.42,-0.75 1,0.75, body extent -1,-0.75 1,0.75, height 0.95

## Part data
1V8 3V3 5V CC1 CC2 Pulse SEL SEL#: library part TPO_SMD_ROUND_1MM, "TPO - TEST POINT ROUND SMD PAD ONLY  - 1 MM", Package="1 MM ROUND", Assembly Type=NONE, CreatedBy/Date="Jonathan Bouchard 2018-07-17", Cryo=UNKNOWN, GRAMS Lib Spec=2.8, Magnetic Material=NO, VerifiedBy="Arnaud Samson 23-07-18"
C1 C36 C40: library part CAP_CER_CL31A226KAHNNNE, "CAP - CER 22uF 10% 25V X5R - 1206", Manufacturer #1="Samsung Electro-Mechanics", Package=1206, Part Number #2=1276-3047-1-ND, Temperature="-55°C ~ 85°C", Tolerance=10%, Voltage Rating=25V, Assembly Type=SMD, CreatedBy/Date="Philippe Arsenault/21 Janvier 2020", Cryo=UNKNOWN, GRAMS Lib Spec=2.8, HelpURL=http://www.samsungsem.com/global/support/product-search/mlcc/1207445_4880.html, Magnetic Material=Unknown, Part Number #1=CL31A226KAHNNNE, Polarized=NO, Supplier 1=Digi-Key, Supplier Part Number 1=1276-3047-1-ND, VerifiedBy="C.Paulin - 28/01/2020"
C2 C4 C19 C20 C24 C27 C32 C33: library part CAP_CER_C0603C105K8PACTU, "CAP - CER 1uF 10V 10% X5R - 0603", Manufacturer #1=KEMET, Package=0603, Supplier Part Number 1=399-3118-1-ND, Temperature="-55°C ~ 85°C", Tolerance=10%, Voltage Rating=10V, Assembly Type=SMD, CreatedBy/Date="Hubert Dube - 21/07/20", Cryo=UNKNOWN, GRAMS Lib Spec=2.8, HelpURL=https://content.kemet.com/datasheets/KEM_C1006_X5R_SMD.pdf, Magnetic Material=Unknown, Part Number #1=C0603C105K8PACTU, Polarized=NO, Supplier 1=Digi-Key, VerifiedBy="Louis-Daniel Gaulin - 21/07/20"
C3 C7 C39 C45 C62: library part CAP_CER_C2012X7R1E475K125AE, "CAP - CER 4.7UF 10% 25V X7R - 0805", Manufacturer #1="TDK Corporation", Package=0805, Supplier Part Number 1=445-14537-1-ND, Temperature="-55°C ~ 125°C", Tolerance=10%, Voltage Rating=25V, Assembly Type=SMD, CreatedBy/Date="Keven Deslandes - 2018/11/09", Cryo=UNKNOWN, GRAMS Lib Spec=2.8, HelpURL=https://product.tdk.com/info/en/documents/chara_sheet/C2012X7R1E475K125AE.pdf, Magnetic Material=Unknown, Part Number #1=C2012X7R1E475K125AE, Polarized=No, Supplier 1=Digi-Key, VerifiedBy="Nicolas Roy - 2018/12/11"
C5 C8: library part CAP_CER_GRM21BR61C106KE15K, "CAP - CER 10UF 10% 16V X5R - 0805", Manufacturer #1=Murata, Package=0805, Supplier Part Number 1=490-6473-1-ND, Temperature="-55°C ~ 85°C", Tolerance=10%, Voltage Rating=16V, Assembly Type=SMD, CreatedBy/Date="Caroline Paulin / 8 août 2018", Cryo=UNKNOWN, GRAMS Lib Spec=2.8, HelpURL=https://search.murata.co.jp/Ceramy/image/img/A01X/G101/ENG/GRM21BR61C106KE15-01.pdf, Magnetic Material=Unknown, Part Number #1=GRM21BR61C106KE15K, Polarized=NO, Supplier 1=Digi-Key, VerifiedBy="Nicolas V. (2019-01-22)"
C6 C9 C10 C12 C16 C22 C25 C26 C29 C31 C34 C35 C37 C38 C41 C42 C43 C44 C47 C48 C49 C55 C56 C57 C58 C61 C63 C64 C66: library part CAP_CER_CGA2B3X7R1E104K050BB, "CAP - CER 0.1µF 10% 25V X7R - 0402", Manufacturer #1="TDK Corporation", Package=0402, Supplier Part Number 1=445-6902-1-ND, Temperature="-55°C ~ 125°C", Tolerance=10%, Voltage Rating=25V, Assembly Type=SMD, CreatedBy/Date="Nicolas Roy 2018-11-07", Cryo=UNKNOWN, GRAMS Lib Spec=2.8, HelpURL=https://product.tdk.com/info/en/catalog/datasheets/mlcc_automotive_general_en.pdf, Magnetic Material=Unknown, Part Number #1=CGA2B3X7R1E104K050BB, Polarized=NO, Supplier 1=Digi-Key, VerifiedBy="Nicolas V. (2019-01-22)"